# KiCad board trifecta.kicad_pcb (continued)
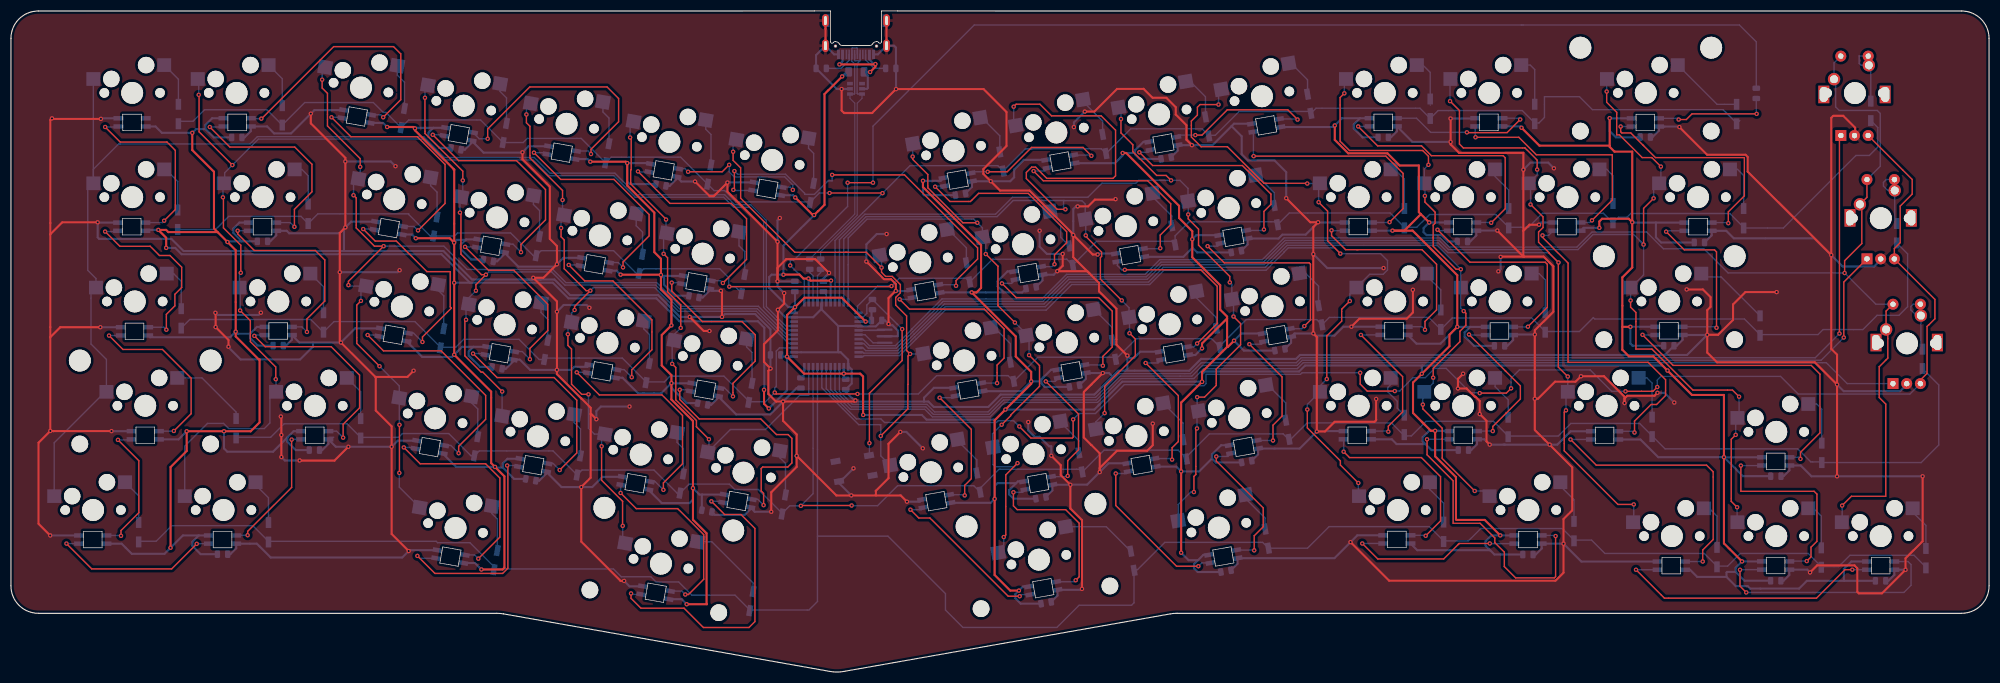
[diagram p0: board, top side]
## Routing (per net, layer and track width the routed paths; a pad name or vN(x,y) marks a point on that pad's centre or on a via; arc(x,y) is an arc through that point) (continued)
Net-(D_35-Pad2): length 8.5
  Bottom w0.25: D_35.2 78.99,68.72 77.97,69.74 K_35.2
Net-(D_36-Pad2): length 7.6
  Bottom w0.25: 97.79,60.78 D_36.2 97.98,64.43 96.73,65.68 K_36.2
Net-(D_37-Pad2): length 8.2
  Bottom w0.25: D_37.2 116.52,61.66 115.49,62.68 K_37.2
Net-(D_38-Pad2): length 8.5
  Bottom w0.25: K_38.2 134.25,59.38 135.25,58.38 D_38.2
Net-(D_39-Pad2): length 8.2
  Bottom w0.25: D_39.2 182.39,59.99 179.45,62.92 K_39.2
Net-(D_40-Pad2): length 7.1
  Bottom w0.25: D_40.2 200.98,62.94 197.7,66.22 K_40.2
Net-(D_41-Pad2): length 8.2
  Bottom w0.25: K_41.2 216.34,68.36 219.99,64.71 D_41.2
Net-(D_42-Pad2): length 8.1
  Bottom w0.25: K_42.2 236.28,72.85 238.63,70.49 D_42.2
Net-(D_43-Pad2): length 7.7
  Bottom w0.25: D_43.2 260.94,69.81 258.47,72.28 K_43.2 ; 260.93,65.49 260.94,65.49
Net-(D_44-Pad2): length 9
  Bottom w0.25: D_44.2 280,71.66 278.88,72.77 K_44.2 ; 279.98,65.49 280,65.51
Net-(D_45-Pad2): length 13.9
  Bottom w0.25: K_45.2 309.08,72.18 312.09,72.18 D_45.2
Net-(D_47-Pad2): length 14.5
  Bottom w0.25: D_47.2 41.09,47.5 34.86,53.72 K_47.2
Net-(D_48-Pad2): length 8.5
  Bottom w0.25: K_48.2 63.82,51.21 D_48.2 ; 63.8,46.19 63.82,46.17
Net-(D_49-Pad2): length 7.8
  Bottom w0.25: D_49.2 85.19,48.06 84.04,49.2 K_49.2
Net-(D_50-Pad2): length 8
  Bottom w0.25: D_50.2 103.94,44.42 102.8,45.55 K_50.2
Net-(D_51-Pad2): length 8
  Bottom w0.25: D_51.2 122.72,40.8 121.56,41.95 K_51.2
Net-(D_52-Pad2): length 8.5
  Bottom w0.25: K_52.2 140.32,39.15 141.35,38.12 D_52.2
Net-(D_53-Pad2): length 7.6
  Bottom w0.25: D_53.2 176.27,38.75 172.74,42.28 K_53.2
Net-(D_54-Pad2): length 7.2
  Bottom w0.25: D_54.2 194.89,42.26 191.5,45.65 K_54.2
Net-(D_55-Pad2): length 8.2
  Bottom w0.25: K_55.2 210.26,49.12 213.9,45.48 D_55.2
Net-(D_56-Pad2): length 8.1
  Bottom w0.25: D_56.2 232.64,49.16 229.37,52.43 K_56.2
Net-(D_57-Pad2): length 8.3
  Bottom w0.25: K_57.2 251.8,52.52 251.26,51.98 251.26,51.2 252.99,49.47 252.99,48.21 D_57.2 ; 254.3,46.44 254.31,46.44
Net-(D_58-Pad2): length 9.1
  Bottom w0.25: 273.21,46.44 273.23,46.42 ; D_58.2 273.23,49.74 270.85,52.12 K_58.2 270.85,52.83
Net-(D_59-Pad2): length 9.1
  Bottom w0.25: D_59.2 299.51,52.78 298.56,53.72 K_59.2 ; 299.5,46.44 299.51,46.43
Net-(D_60-Pad2): length 9.1
  Bottom w0.25: D_60.2 330.47,48.01 329.52,48.96 K_60.2
Net-(D_62-Pad2): length 8.4
  Bottom w0.25: D_62.2 23.31,32.19 K_62.2
Net-(D_63-Pad2): length 8.4
  Bottom w0.25: 46.98,27.2 46.99,27.18 ; D_63.2 46.99,31.83 44.64,34.19 K_63.2
Net-(D_64-Pad2): length 8.5
  Bottom w0.25: K_64.2 87.77,28.95 88.77,27.95 D_64.2
Net-(D_65-Pad2): length 14.9
  Bottom w0.25: D_65.2 135.44,16.27 127.92,23.79 K_65.2
Net-(D_66-Pad2): length 13.8
  Bottom w0.25: K_66.2 199.89,26.54 D_66.2
Net-(D_67-Pad2): length 7.8
  Bottom w0.25: D_67.2 228.87,28.13 225.3,31.7 K_67.2
Net-(D_68-Pad2): length 8.5
  Bottom w0.25: K_68.2 258.95,33.35 261.45,30.85 D_68.2 ; 261.32,27.39 261.45,27.26
Net-(D_69-Pad2): length 8.2
  Bottom w0.25: 285.24,27.39 285.25,27.4 ; D_69.2 285.25,31.49 282.76,33.97 282.76,34.67
Net-(D_70-Pad2): length 8.7
  Bottom w0.25: K_70.2 309.91,29.91 311.35,28.47 D_70.2 ; 311.33,22.63 311.35,22.65
Net-(D_71-Pad2): length 9
  Bottom w0.25: 330.32,22.63 330.38,22.56 ; 330.32,22.63 330.45,22.76 ; D_71.2 330.38,28.48 328.95,29.91 K_71.2
Net-(D_72-Pad2): length 8.6
  Bottom w0.25: 349.3,22.63 349.47,22.45 ; D_72.2 349.47,26.79 347.05,29.21 K_72.2
Net-(J1-PadA5): length 5.9
  Bottom w0.25: J1.A5 152.97,111.75 151.49,110.27 R2.2
Net-(J1-PadB5): length 5.3
  Bottom w0.25: R3.2 157.52,110.27 155.97,111.82 J1.B5
Net-(LED1-Pad4): length 34.3
  Top w0.25: v1(27.96,82.44) 29.99,84.48 29.99,95.3 28.46,96.82 19.93,96.82 v1(17.19,99.56)
  Bottom w0.25: v1(27.96,82.44) 27.61,82.1 LED17.2 ; v1(17.19,99.56) 19.51,99.56 LED1.4
Net-(LED2-Pad4): length 48.7
  Top w0.25: v1(45.69,101.09) 45.74,101.09 58.89,114.24 69.82,114.24 71.14,112.92 71.14,104.54 v1(67.94,101.34)
  Bottom w0.25: v1(45.69,101.09) 43.86,101.09 LED2.4 ; v1(67.94,101.34) 67.49,101.79 LED3.2
Net-(LED4-Pad4): length 48.1
  Top w0.25: v1(105.86,94.62) 105.86,95.5 107.97,97.61 107.97,97.61 110.89,100.53 110.89,104.77 108.78,106.88 94.68,106.88 87,99.19 v1(87,97.42)
  Bottom w0.25: v1(87,97.42) 85.45,97.42 LED4.4 ; v1(105.86,94.62) 105.3,95.18 LED5.2
Net-(LED6-Pad4): length 27.1
  Top w0.25: v1(123.57,91.38) 129.8,91.38 v1(131.07,92.65)
  Bottom w0.25: v1(123.57,91.38) 123.02,91.94 LED6.4 ; v1(131.07,92.65) 131.07,91.39 132.01,90.45 141.21,90.45 142.69,88.97 v1(142.69,88.08) 142.19,88.58 LED7.2
Net-(LED8-Pad4): length 28
  Top w0.25: v1(178.25,91.38) 181.8,91.38 186.25,95.83 195.65,95.83 v1(197.17,94.31)
  Bottom w0.25: LED8.4 175.38,91.38 v1(178.25,91.38) ; v1(197.17,94.31) 197.05,94.43 LED9.2
Net-(LED10-Pad2): length 39.7
  Top w0.25: v1(228.67,80.84) 228.67,84.15 229.94,85.42 229.94,87.32 224.73,92.53 208.35,92.53 v1(205.93,94.94)
  Bottom w0.25: v1(228.67,80.84) 228.49,80.67 LED26.4 ; LED10.2 207.56,94.94 v1(205.93,94.94)
Net-(LED10-Pad4): length 28.4
  Top w0.25: v1(234.79,100.92) 233.01,102.7 221.97,102.7 217.36,98.08 v1(216.14,98.08)
  Bottom w0.25: LED10.4 213.02,98.08 v1(216.14,98.08) ; v1(234.79,100.92) 234.69,101.03 LED11.2
Net-(LED11-Pad4): length 46.5
  Top w0.25: 226.47,94.24 v1(226.79,94.24) 250.91,94.24 254.06,91.08 254.06,84.66 v1(251.59,82.18)
  Bottom w0.25: LED11.4 226.74,94.29 v1(226.79,94.24) ; LED27.2 251.53,82.12 v1(251.59,82.18)
Net-(LED12-Pad2): length 47
  Top w0.25: v1(270.13,82.07) 272.69,84.62 272.69,93.95 272.32,94.32 259.22,94.32 257.42,96.12 249.41,96.12 v1(245.86,99.67)
  Bottom w0.25: v1(245.86,99.67) 245.86,99.67 LED12.2 ; v1(270.13,82.07) 270.07,82.12 LED28.4
Net-(LED12-Pad4): length 27.9
  Top w0.25: v1(275.43,100.94) 273.03,98.54 265.75,98.54 v1(265.71,98.59)
  Bottom w0.25: v1(265.71,98.59) 259.1,98.59 256.51,101.17 LED12.4 ; v1(275.43,100.94) 275.2,101.17 LED13.2
Net-(LED13-Pad4): length 44
  Top w0.25: v1(267.29,97.69) 275.17,97.69 278.38,94.49 292.24,94.49 292.24,86.22 v1(288.53,82.51)
  Bottom w0.25: LED13.4 267.21,97.76 v1(267.29,97.69) ; v1(288.53,82.51) 288.13,82.11 LED29.2
Net-(LED15-Pad2): length 43.8
  Top w0.25: v1(293.77,99.65) 293.77,98.69 293.97,98.48 295.61,98.48 297.88,96.21 ; v1(313.41,81.99) 313.41,84.05 316.34,86.99 316.34,93.98 300.12,93.98 297.88,96.21 ; 297.88,96.21 297.94,96.15
  Bottom w0.25: LED30.4 313.3,82.1 v1(313.41,81.99) ; v1(293.77,99.65) LED15.2
Net-(LED15-Pad4): length 21.2
  Top w0.25: v1(304.35,100.92) 305.75,100.92 306.79,101.96 v1(318.58,101.96)
  Bottom w0.25: R7.1 318.52,102.02 v1(318.58,101.96) ; v1(304.35,100.92) 304.13,101.15 LED15.4
Net-(LED17-Pad4): length 35.2
  Top w0.25: v1(28.36,62.53) 28.36,65.34 29.91,66.89 29.91,69 31.16,70.24 31.16,73.95 29.02,76.09 27.1,76.09 25.42,77.77 19.88,77.77 v1(17.19,80.46)
  Bottom w0.25: LED17.4 19.4,80.46 v1(17.19,80.46) ; v1(28.36,62.53) 27.9,62.99 LED33.2
Net-(LED18-Pad2): length 38.1
  Top w0.25: v1(54.02,62.12) 54.02,64.51 57.27,67.76 57.27,75.28 55.54,77.01 44.42,77.01 41.37,80.06 v1(41.37,80.61)
  Bottom w0.25: v1(41.37,80.61) 43.4,80.61 LED18.2 ; LED34.4 53.09,63.05 v1(54.02,62.12)
Net-(LED18-Pad4): length 40.4
  Top w0.25: v1(36.29,99.56) 39.95,95.91 51.78,95.91 54.93,92.76 54.93,87.73 51.73,84.53 v1(51.73,81.33)
  Bottom w0.25: LED2.2 38.68,99.56 v1(36.29,99.56) ; v1(51.73,81.33) 50.96,82.1 LED18.4
Net-(LED19-Pad2): length 43.5
  Top w0.25: v1(74.29,80.67) 79.21,85.59 79.21,92.74 74.17,97.79 62.04,97.79 v1(58.49,101.34)
  Bottom w0.25: LED19.2 73.55,81.4 v1(74.29,80.67) ; v1(58.49,101.34) 60.37,101.34 LED3.4
Net-(LED19-Pad4): length 39.7
  Top w0.25: v1(64.28,80.92) 66.46,78.74 70.32,78.74 75.91,73.14 80.16,73.14 80.16,66.69 80.37,66.48 75.1,61.21 v1(75.1,60.29)
  Bottom w0.25: LED35.2 73.49,61.91 v1(75.1,60.29) ; v1(64.28,80.92) 66.25,80.92 LED19.4
Net-(LED20-Pad2): length 36.5
  Top w0.25: v1(94.71,57.15) 94.71,59.13 97.96,62.38 97.96,67.2 91.76,73.4 87.14,73.4 v1(82.87,77.67)
  Bottom w0.25: v1(94.71,57.15) 93.31,58.54 LED36.4 ; LED20.2 84.93,77.67 v1(82.87,77.67)
Net-(LED20-Pad4): length 43.7
  Top w0.25: v1(93.08,76.7) 93.08,78.13 97.55,82.6 97.55,88.13 92.27,93.42 81.7,93.42 v1(76.98,98.14)
  Bottom w0.25: v1(76.98,98.14) 78.93,98.14 LED4.2 ; LED20.4 91.62,78.16 v1(93.08,76.7)
Net-(LED21-Pad2): length 42.9
  Top w0.25: v1(95.44,94.88) 100.33,89.99 110.05,89.99 116.46,83.57 116.46,79.67 111.7,74.91 v1(111.7,73.92)
  Bottom w0.25: LED5.4 97.63,94.88 v1(95.44,94.88) ; LED21.2 110.82,74.8 v1(111.7,73.92)
Net-(LED21-Pad4): length 37
  Top w0.25: v1(101.79,74.37) 104.72,71.45 109.86,71.45 116.97,64.33 116.97,58.87 113.29,55.19 v1(113.29,53.86)
  Bottom w0.25: LED37.2 111.9,55.24 v1(113.29,53.86) ; LED21.4 103.79,74.37 v1(101.79,74.37)
Net-(LED22-Pad2): length 38.5
  Top w0.25: v1(120.59,71.13) 120.59,69.6 126.18,64.02 133.42,64.02 135.83,61.6 135.83,56.81 135.11,56.09 ; v1(131.77,50.36) 131.77,52.75 135.11,56.09 ; 135.11,56.09 135.35,56.33
  Bottom w0.25: LED38.4 130.26,51.87 v1(131.77,50.36) ; LED22.2 122.27,71.13 v1(120.59,71.13)
Net-(LED22-Pad4): length 41.5
  Top w0.25: v1(129.92,71.06) 134.24,75.38 134.24,82.81 131.45,85.61 120.27,85.61 v1(114.43,91.45)
  Bottom w0.25: LED6.2 114.54,91.33 v1(114.43,91.45) ; LED22.4 129.49,71.5 v1(129.92,71.06)
Net-(LED23-Pad2): length 73.1
  Top w0.25: v1(131.83,88.08) 132.02,88.27 v1(132.02,91.51) ; v1(149.86,90.81) 149.8,90.81 163.07,90.81 176.41,77.48 176.41,75.45 172.47,71.51 v1(172.47,70.56)
  Bottom w0.25: LED7.4 131.94,87.97 v1(131.83,88.08) ; LED23.2 172.28,70.75 v1(172.47,70.56) ; v1(149.86,90.81) 149.86,89.73 149.1,89.73 146.63,87.26 144.85,87.26 144.85,87.45 141.36,90.94 132.59,90.94 v1(132.02,91.51)
Net-(LED23-Pad4): length 37.1
  Top w0.25: v1(162.18,68.08) 163.96,66.3 177.61,66.3 181.23,62.68 181.23,57.35 179.96,56.08 v1(179.96,52.78)
  Bottom w0.25: v1(179.96,52.78) 179.95,52.79 LED39.2 ; LED23.4 164.23,68.08 v1(162.18,68.08)
Net-(LED24-Pad2): length 39.1
  Top w0.25: v1(199.27,55.95) 199.27,57.67 200.98,59.38 200.98,65.92 198.5,68.4 183.46,68.4 v1(180.85,71)
  Bottom w0.25: LED40.4 199.12,56.1 v1(199.27,55.95) ; v1(180.85,71) 182.62,71 LED24.2
Net-(LED24-Pad4): length 40.6
  Top w0.25: v1(190.44,74.49) 190.44,76.21 192.66,78.43 192.66,80.43 185.65,87.44 176.59,87.44 175.1,85.96 171.36,85.96 v1(168.66,88.65)
  Bottom w0.25: v1(190.44,74.49) 190,74.05 LED24.4 ; v1(168.66,88.65) 168.78,88.78 LED8.2 170.01,88.34
Net-(LED25-Pad2): length 42.4
  Top w0.25: v1(209.74,77.41) 209.74,79.83 211.65,81.73 211.65,85.54 207.46,89.73 188.41,89.73 v1(186.63,91.51)
  Bottom w0.25: v1(186.63,91.51) 188.62,91.51 LED9.4 ; LED25.2 209.65,77.32 v1(209.74,77.41)
Net-(LED25-Pad4): length 34.6
  Top w0.25: v1(216.48,60.02) 220.14,63.68 220.14,70.49 217.14,73.48 v1(203.27,73.48)
  Bottom w0.25: LED41.2 215.84,59.38 v1(216.48,60.02) ; LED25.4 201.91,74.27 202.7,73.48 v1(203.27,73.48)
Net-(LED26-Pad2): length 37.4
  Top w0.25: v1(218.38,77.8) 221.43,74.75 236.92,74.75 237.16,74.51 237.16,64.32 v1(236.03,63.19)
  Bottom w0.25: LED42.4 235.56,62.71 v1(236.03,63.19) ; LED26.2 220.23,77.8 v1(218.38,77.8)
Net-(LED27-Pad4): length 41.2
  Top w0.25: 245.82,77.16 243.56,77.16 241,79.72 v1(241,80.69) ; 245.82,77.16 257.5,77.16 260.17,74.49 260.17,66.16 258.06,64.05 v1(258.06,62.52) ; 245.82,77.16 245.51,77.16
  Bottom w0.25: LED43.2 257.5,63.08 v1(258.06,62.52) ; v1(241,80.69) 241.07,80.62 LED27.4
Net-(LED28-Pad2): length 40.4
  Top w0.25: v1(276.84,63.09) 280.38,66.62 280.38,74.48 280,74.86 266.27,74.86 v1(260.34,80.8)
  Bottom w0.25: v1(276.84,63.09) 276.81,63.05 LED44.4 ; v1(260.34,80.8) 260.51,80.62 LED28.2
Net-(LED29-Pad4): length 62.2
  Top w0.25: v1(296.29,43.76) 296.29,45.85 299.31,48.87 300.32,48.87 301.96,50.52 301.96,53.4 298.77,56.59 284.17,56.59 284.17,74.72 281.16,77.72 281.16,77.76 279.51,79.41 v1(279.51,79.76)
  Bottom w0.25: LED59.2 296.07,43.98 v1(296.29,43.76) ; v1(279.51,79.76) 280.61,79.76 LED29.4 281.45,80.62
Net-(LED30-Pad2): length 34.2
  Top w0.25: v1(302.07,80.44) 305.39,77.12 310.89,77.12 311.26,76.75 v1(311.26,62.9)
  Bottom w0.25: v1(302.07,80.44) 302.22,80.6 LED30.2 ; v1(311.26,62.9) 311.08,63.07 LED45.4
Net-(LED33-Pad4): length 34.1
  Top w0.25: v1(17.9,61.46) 20.44,58.92 27.65,58.92 32.88,53.69 32.88,47.19 v1(29.73,44.04)
  Bottom w0.25: v1(29.73,44.04) 29.7,44 LED47.2 ; v1(17.9,61.46) 20.02,61.46 LED33.4
Net-(LED34-Pad2): length 39.9
  Top w0.25: v1(44.42,61.41) 46.4,59.43 58.44,59.43 63.62,54.25 63.62,48.26 60.62,45.26 v1(60.62,42.82)
  Bottom w0.25: LED48.4 59.44,44 v1(60.62,42.82) ; v1(44.42,61.41) 44.55,61.55 LED34.2
Net-(LED35-Pad4): length 44.2
  Top w0.25: v1(65.09,61.56) 67.99,58.67 78.5,58.67 86.63,50.54 86.63,46.17 81.7,41.24 v1(81.7,39.97)
  Bottom w0.25: v1(65.09,61.56) 67,61.56 LED35.4 ; v1(81.7,39.97) 80.28,41.4 LED49.2
Net-(LED36-Pad2): length 41.6
  Top w0.25: v1(84.33,58.17) 88.71,53.79 99.13,53.79 103.25,49.66 103.25,40.01 v1(100.14,36.9)
  Bottom w0.25: v1(84.33,58.17) 86.39,58.17 LED36.2 ; LED50.4 98.95,38.09 v1(100.14,36.9)
Net-(LED37-Pad4): length 42.8
  Top w0.25: v1(103.25,54.74) 107.38,50.62 118.81,50.62 122.56,46.87 122.56,38.04 119.07,34.55 v1(119.07,33.28)
  Bottom w0.25: v1(119.07,33.28) 117.56,34.79 LED51.2 ; v1(103.25,54.74) 105.18,54.74 LED37.4
Net-(LED38-Pad2): length 47.4
  Top w0.25: v1(137.35,30.49) 137.35,32.65 136.91,33.09 136.91,37.17 137.19,37.45 141.76,37.45 142.52,38.2 142.52,42.69 141.82,43.38 139.7,43.38 136.85,46.24 125.61,46.24 122.05,49.79 v1(122.05,51.57)
  Bottom w0.25: v1(137.35,30.49) 136.29,31.55 LED52.4 ; LED38.2 123.79,51.57 v1(122.05,51.57)
Net-(LED39-Pad4): length 26.7
  Top w0.25: v1(169.49,50.11) 175.26,44.33 175.26,35.31 174.06,34.11 v1(174.06,32.27)
  Bottom w0.25: v1(174.06,32.27) 173.93,32.39 LED53.2 ; v1(169.49,50.11) 172.07,50.11 LED39.4
Net-(LED40-Pad2): length 26.3
  Top w0.25: v1(188.85,53.09) 194.82,47.12 194.82,40.58 192.85,38.62 v1(192.85,35.82)
  Bottom w0.25: v1(192.85,35.82) 192.72,35.69 LED54.4 ; LED40.2 190.57,53.09 v1(188.85,53.09)
Net-(LED41-Pad4): length 27
  Top w0.25: v1(211.9,38.81) 211.9,40.97 213.04,42.11 213.04,50.5 v1(207.08,56.46)
  Bottom w0.25: v1(211.9,38.81) 211.71,39 LED55.2 ; v1(207.08,56.46) 209.33,56.46 LED41.4
Net-(LED42-Pad2): length 26.6
  Top w0.25: v1(226,59.89) 231.97,53.92 231.97,46.74 230.32,45.09 v1(230.32,42.3)
  Bottom w0.25: v1(230.32,42.3) 230.31,42.3 LED56.4 ; LED42.2 228.21,59.89 v1(226,59.89)
Net-(LED43-Pad4): length 28.6
  Top w0.25: v1(246.36,61.58) 253.97,53.97 253.97,47.51 251.36,44.91 v1(251.36,43.91)
  Bottom w0.25: v1(246.36,61.58) 249.91,61.58 LED43.4 ; v1(251.36,43.91) 251.27,44.01 LED57.2
Net-(LED44-Pad2): length 29.8
  Top w0.25: 272.71,55.04 v1(266.09,61.66) ; 272.71,55.04 275.46,52.28 275.46,49.88 272.87,47.28 272.85,47.28 270.43,44.86 v1(270.43,44.01) ; 272.71,55.04 272.85,54.89
  Bottom w0.25: v1(270.43,44.01) 270.42,44.02 LED58.4 ; LED44.2 266.2,61.55 v1(266.09,61.66)
Net-(LED45-Pad2): length 56.8
  Top w0.25: v1(326.58,38.93) 326.58,40.14 330.14,43.7 330.14,54.43 328.55,56.01 303.34,56.01 v1(297.76,61.6)
  Bottom w0.25: v1(326.58,38.93) 326.28,39.23 LED60.4 ; v1(297.76,61.6) 297.79,61.57 LED45.2
Net-(LED47-Pad4): length 25.7
  Top w0.25: v1(19.52,42.41) 23.33,38.6 23.33,29.1 20.08,25.85 v1(20.08,24.89)
  Bottom w0.25: LED47.4 21.93,42.41 v1(19.52,42.41) ; v1(20.08,24.89) 20.02,24.95 LED62.2
Net-(LED48-Pad2): length 24.6
  Top w0.25: v1(51.22,42.46) 51.22,33.73 43.2,25.7 v1(43.2,24.99)
  Bottom w0.25: LED63.4 41.15,24.99 v1(43.2,24.99) ; LED48.2 51.26,42.5 v1(51.22,42.46)
Net-(LED49-Pad4): length 41.2
  Top w0.25: v1(71.7,41.03) 74.68,38.04 86.62,38.04 89.22,35.44 89.22,24.65 v1(85.28,20.71)
  Bottom w0.25: LED64.2 84.6,21.39 v1(85.28,20.71) ; v1(71.7,41.03) 73.62,41.03 LED49.4
Net-(LED50-Pad2): length 42.9
  Top w0.25: v1(90.55,37.73) 90.68,37.6 90.68,18.96 89.73,18.02 77.37,18.02 v1(74.17,21.22)
  Bottom w0.25: LED50.2 92.48,37.73 v1(90.55,37.73) ; LED64.4 74.6,20.79 v1(74.17,21.22)
Net-(LED51-Pad4): length 35.6
  Top w0.25: v1(111.26,32.71) 114.11,29.85 121.67,29.85 126.42,25.1 126.42,16.95 123.64,14.17 v1(123.07,14.17)
  Bottom w0.25: v1(123.07,14.17) 122.44,14.79 LED65.2 ; LED51.4 111.26,34.05 v1(111.26,32.71)
Net-(LED52-Pad2): length 57.4
  Top w0.25: v1(127.83,31.19) 130.24,28.77 133.23,28.77 135.77,26.23 135.77,9.22 134.69,8.14 126.37,8.14 122.84,11.67 114.97,11.67 113.16,13.47 v1(113.16,14.36)
  Bottom w0.25: LED52.2 129.76,31.19 v1(127.83,31.19) ; LED65.4 113.34,14.18 v1(113.16,14.36)
Net-(LED53-Pad4): length 31.1
  Top w0.25: v1(184.09,13.85) 181.99,13.85 167.71,28.14 165.68,28.14 v1(164.15,29.66)
  Bottom w0.25: v1(164.15,29.66) 166.16,29.66 LED53.4 ; LED66.2 184.39,14.15 v1(184.09,13.85)
Net-(LED54-Pad2): length 32.6
  Top w0.25: v1(194.31,16.77) 194.94,17.4 194.94,27.19 192.47,29.66 183.65,29.66 182.95,30.36 v1(182.95,32.84)
  Bottom w0.25: LED66.4 194.04,16.49 v1(194.31,16.77) ; LED54.2 184.63,32.84 v1(182.95,32.84)
Net-(LED55-Pad4): length 30.5
  Top w0.25: v1(216.7,19.33) 212.71,19.33 201.62,30.42 v1(201.62,36.27)
  Bottom w0.25: v1(201.62,36.27) 203.61,36.27 LED55.4 ; v1(216.7,19.33) 217.3,19.94 LED67.2
Net-(LED56-Pad2): length 27.7
  Top w0.25: v1(226.89,22.23) 226.89,24.9 228.54,26.55 228.54,29.98 219.97,38.55 v1(219.97,39.38)
  Bottom w0.25: v1(226.89,22.23) 226.84,22.28 LED67.4 ; LED56.2 222.09,39.38 v1(219.97,39.38)
Net-(LED57-Pad4): length 36.6
  Top w0.25: v1(243.21,40.25) 244.28,39.18 257.4,39.18 260.89,35.68 260.89,27.6 v1(258.18,24.89)
  Bottom w0.25: LED57.4 243.21,42.5 v1(243.21,40.25) ; v1(258.18,24.89) 258.1,24.98 LED68.2
Net-(LED58-Pad2): length 56.4
  Top w0.25: v1(258.43,42.51) 258.43,39.69 263.19,34.92 263.19,27.18 268.12,27.18 270.8,24.5 270.8,23.65 272.54,21.9 272.54,19.26 274.6,17.2 281.66,17.2 281.89,17.43 v1(281.89,24.84)
  Bottom w0.25: v1(258.43,42.51) 262.55,42.51 LED58.2 ; v1(281.89,24.84) 281.77,24.96 LED69.4
Net-(LED59-Pad4): length 52.6
  Top w0.25: v1(308.74,20.2) 308.74,22.3 310.65,24.2 310.65,36.58 309.44,37.79 289.31,37.79 v1(284.61,42.49)
  Bottom w0.25: LED70.2 308.72,20.18 v1(308.74,20.2) ; LED59.4 288.32,42.49 v1(284.61,42.49)
Net-(LED60-Pad2): length 38.9
  Top w0.25: v1(327.73,20.26) 328.5,21.04 328.5,22.8 329.58,23.88 329.58,32.51 329.07,33.02 315.73,33.02 315.7,33.05 v1(315.7,37.71)
  Bottom w0.25: v1(327.73,20.26) 324.6,20.26 LED71.4 ; LED60.2 319.54,37.71 v1(315.7,37.71)
Net-(LED62-Pad4): length 32.1
  Top w0.25: v1(10.13,23.46) 14.75,18.84 29.33,18.84 v1(33.9,23.41)
  Bottom w0.25: v1(33.9,23.41) 33.94,23.45 LED63.2 ; LED62.4 12.41,23.46 v1(10.13,23.46)
Net-(LED68-Pad4): length 34.2
  Top w0.25: 264.24,23.43 264.11,23.3 ; 264.11,23.3 264.29,23.49 v1(269.88,23.49) ; 264.11,23.3 261.46,20.66 249.44,20.66 v1(246.61,23.49)
  Bottom w0.25: LED69.2 271.14,23.46 ; 271.14,23.46 271.11,23.43 ; 271.14,23.46 269.91,23.46 v1(269.88,23.49) ; v1(246.61,23.49) 250.41,23.49 LED68.4
Net-(LED70-Pad4): length 50.7
  Top w0.25: v1(296.56,18.68) 301.75,13.5 329.5,13.5 334.69,18.69 v1(336.04,18.69)
  Bottom w0.25: 300.29,18.47 LED70.4 v1(296.56,18.68) ; v1(336.04,18.69) 336.05,18.69 LED72.2
Net-(LED71-Pad2): length 46.3
  Top w0.25: v1(315.55,18.67) 315.55,15.68 v1(316.69,14.54)
  Bottom w0.25: v1(316.69,14.54) 345.46,14.54 346.76,15.85 346.76,19.63 346.2,20.19 LED72.4 ; v1(315.55,18.67) 315.58,18.71 LED71.2
Net-(R1-Pad2): length 38.2
  Top w0.25: v1(156.66,41.82) 156.66,50.93 162.64,56.9 v1(162.64,62.66)
  Bottom w0.25: v1(162.64,62.66) 161.65,63.64 161.64,63.64 R1.2 156.19,67.04 156.19,65.52 155.49,64.82 154.49,64.82 ; v1(156.66,41.82) 156.66,39.64 SW1.2
Net-(R4-Pad1): length 6.5
  Bottom w0.25: 147.19,67.32 147.19,72.41 147.76,72.98 R4.1 147.74,73.54
Net-(R5-Pad1): length 6.5
  Bottom w0.25: R5.1 145.78,72.98 146.39,72.38 146.39,67.32
Net-(R6-Pad2): length 2.4
  Bottom w0.25: 144.79,55.92 144.79,54.36 R6.2
Net-(U1-Pad16): length 6.7
  Bottom w0.25: Y1.3 159.35,62.42 156.58,62.42 ; 158.13,62.54 158.01,62.42 156.58,62.42 ; 156.58,62.42 154.49,62.42
Net-(U1-Pad17): length 4.3
  Bottom w0.25: 158.13,60.14 157.33,60.14 155.85,61.62 154.49,61.62

## Copper pours and planes (outline as drawn; the poured copper is in the pictures)
GND on Top: 372.61,132.05 372.92,-0.76 161.6,-9.45 -9.37,5.14 -8.4,130.5 -9.69,137.64
GND on Bottom: 142.09,68.3 142.09,54.93 155.49,54.93 155.47,68.3
GND on Bottom: 371.27,132.96 372.53,-0.74 165.29,-9.58 -8.71,5.58 -8.71,130.43 -9.6,137.51

## Text on the board
B.SilkS: Keep Away From Orange Snacks. | Designed by Swiftrax and 2Moons
